# KiCad board frank_pga.kicad_pcb
title: FRANK PGA; date: ${DATE}; rev: ${VERSION}; company: Mikhail Matveev; note: https://github.com/rh1tech/frank
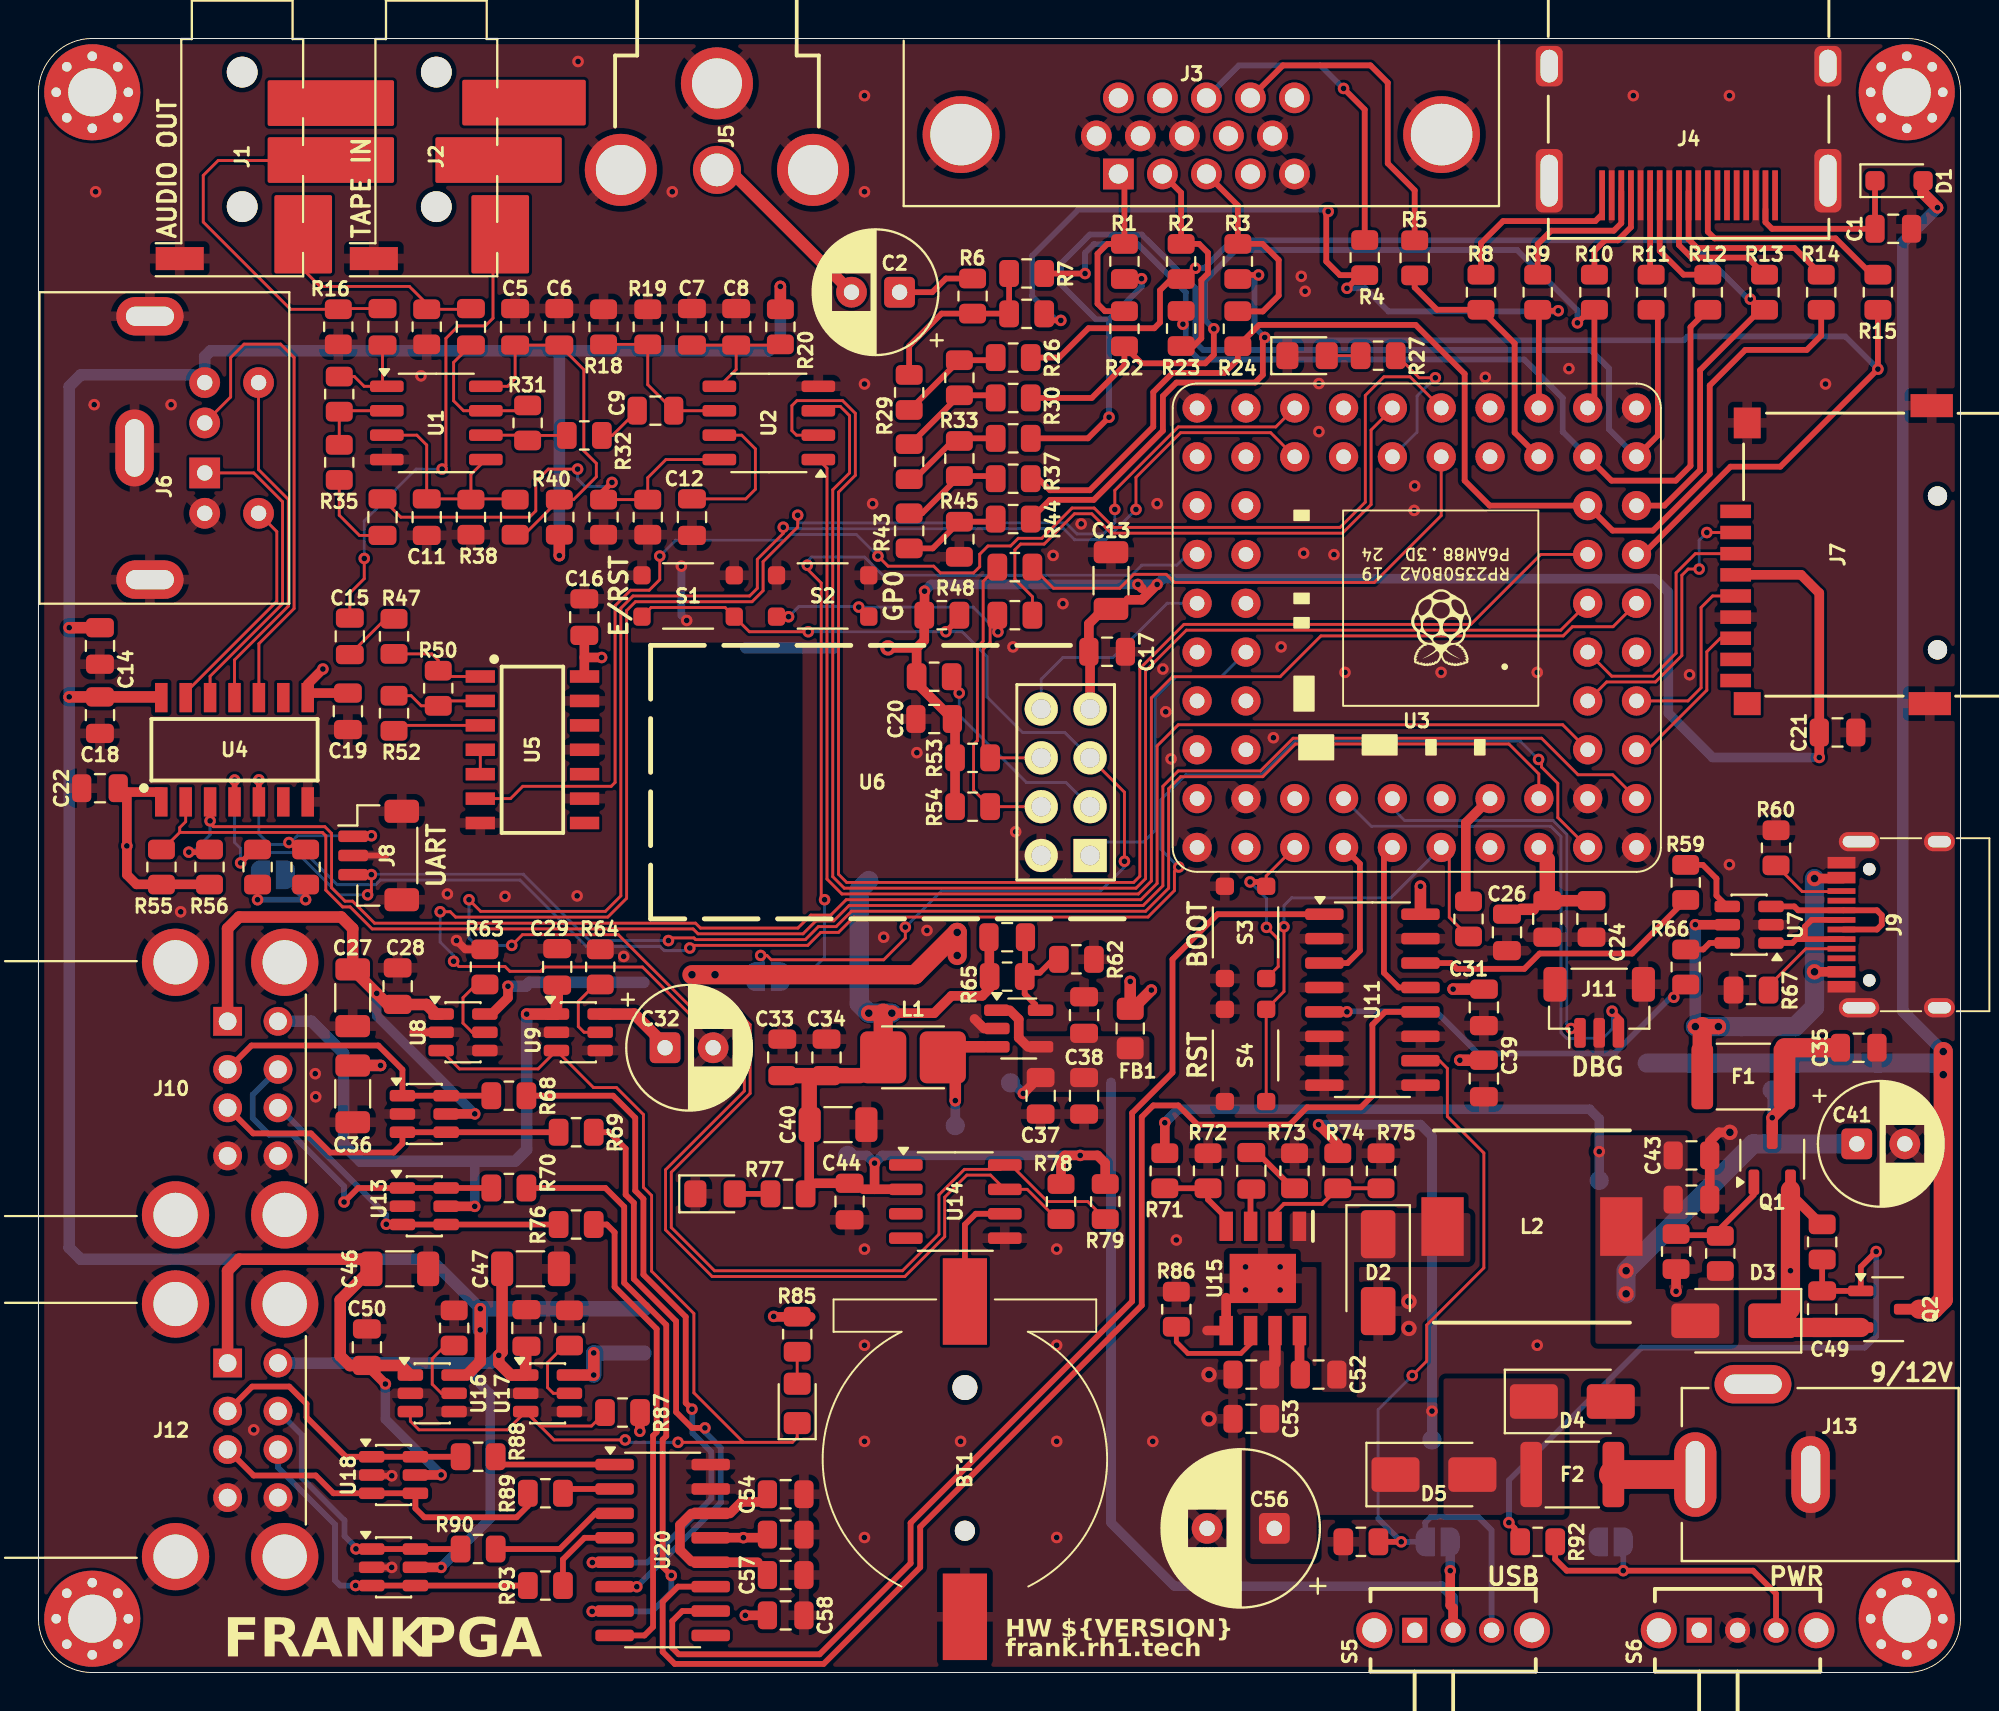
[diagram p0: board, top side]
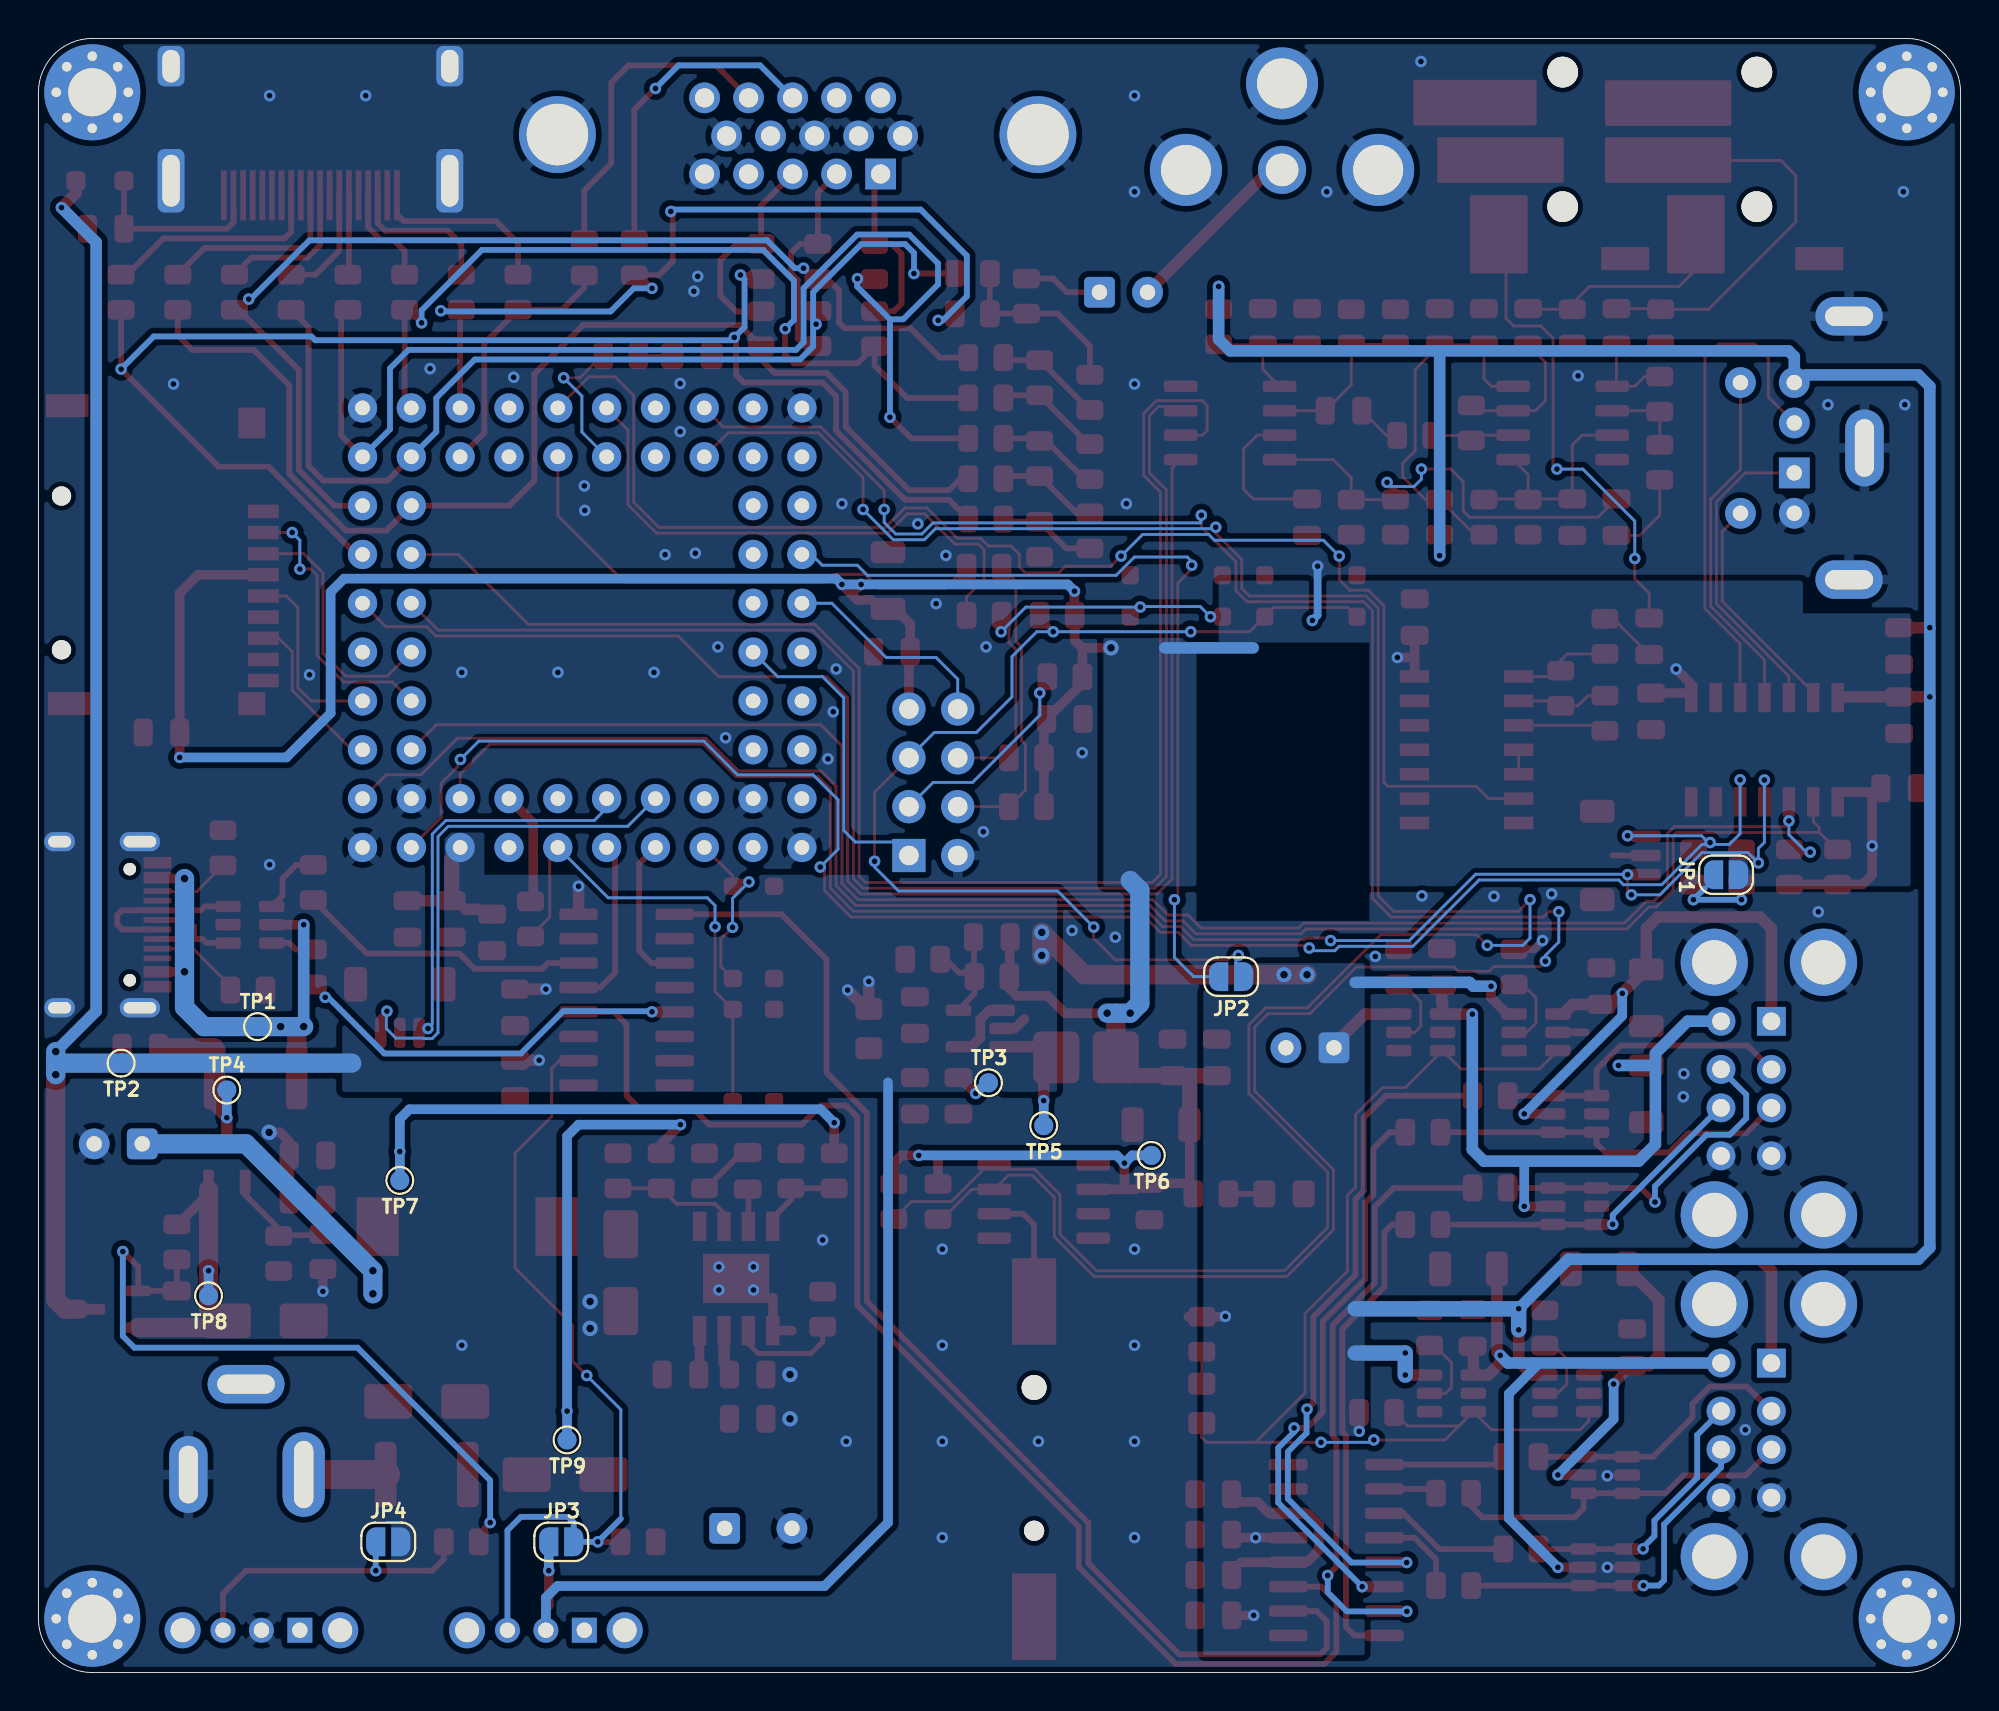
[diagram p1: board, bottom side, seen from below]

Outline 100 x 85 mm; copper layers: Top, Bottom. Coordinates in mm from the lower left corner of the outline.
Outline path: 0,82.2 0,2.8 arc(0.82,0.82) 2.8,0 97.2,0 arc(99.18,0.82) 100,2.8 100,82.2 arc(99.18,84.18) 97.2,85 2.8,85 arc(0.82,84.18) 0,82.2
Stack: Top 0.035mm / dielectric 0.91mm FR4 er 4.5 / Bottom 0.035mm

## Placement (name value [footprint] x y rotation side)
BT1  -  [Battery_CR1220]  48.2 11.1 180 top
C1  100n 50V  [C_0805_2012Metric]  96.5 75.1 0 top
C2  220u 10V  [C_Radial_D6.3mm_P2.50mm]  44.8 71.8 180 top
C3  10u 16V  [C_0805_2012Metric]  17.9 70 90 top
C4  10u 16V  [C_0805_2012Metric]  22.5 70 90 top
C5  100n 50V  [C_0805_2012Metric]  24.8 70 270 top
C6  10u 16V  [C_0805_2012Metric]  27.1 70 90 top
C7  100n 50V  [C_0805_2012Metric]  34 70 90 top
C8  10u 16V  [C_0805_2012Metric]  36.3 70 90 top
C9  10u 16V  [C_0805_2012Metric]  32.1 65.64 180 top
C10  10u 16V  [C_0805_2012Metric]  17.9 60.1 270 top
C11  10u 16V  [C_0805_2012Metric]  20.2 60.1 90 top
C12  10u 16V  [C_0805_2012Metric]  34 60.1 270 top
C13  100u 10V  [C_1206_3216Metric]  55.8 56.8 90 top
C14  100n 50V  [C_0805_2012Metric]  3.2 53.4 270 top
C15  100n 50V  [C_0805_2012Metric]  16.2 53.9 90 top
C16  100n 50V  [C_0805_2012Metric]  28.4 54.9 90 top
C17  100n 50V  [C_0805_2012Metric]  55.6 53.1 0 top
C18  100n 50V  [C_0805_2012Metric]  3.2 49.8 270 top
C19  100n 50V  [C_0805_2012Metric]  16.1 50 270 top
C20  10u 16V  [C_0805_2012Metric]  46.6 49.6 180 top
C21  100n 50V  [C_0805_2012Metric]  93.6 48.9 180 top
C22  100n 50V  [C_0805_2012Metric]  3.2 46 180 top
C23  10u 16V  [C_0805_2012Metric]  78.5 39.2 270 top
C24  100n 50V  [C_0805_2012Metric]  80.8 39.2 270 top
C25  22p 50V  [C_0805_2012Metric]  50.4 38.25 0 top
C26  100n 50V  [C_0805_2012Metric]  76.4 38.5 270 top
C27  100u 10V  [C_1206_3216Metric]  16.35 35.1 270 top
C28  100n 50V  [C_0805_2012Metric]  18.69 35.7 90 top
C29  100n 50V  [C_0805_2012Metric]  26.99 36.7 90 top
C30  10u 16V  [C_0805_2012Metric]  54.4 34.2 90 top
C31  10u 16V  [C_0805_2012Metric]  75.2 34.6 270 top
C32  220u 10V  [C_Radial_D6.3mm_P2.50mm]  32.6 32.5 0 top
C33  10u 16V  [C_0805_2012Metric]  38.7 32 90 top
C34  10u 16V  [C_0805_2012Metric]  41 32 90 top
C35  10u 16V  [C_0805_2012Metric]  94.7 32.5 0 top
C36  100u 10V  [C_1206_3216Metric]  16.35 30.1 270 top
C37  100n 50V  [C_0805_2012Metric]  52.14 30 270 top
C38  10u 16V  [C_0805_2012Metric]  54.4 30 270 top
C39  100n 50V  [C_0805_2012Metric]  75.2 30.9 270 top
C40  100u 10V  [C_1206_3216Metric]  41.6 28.5 0 top
C41  220u 10V  [C_Radial_D6.3mm_P2.50mm]  94.6 27.5 0 top
C42  150p 50V  [C_0805_2012Metric]  63.1 26.1 90 top
C43  10u 16V  [C_0805_2012Metric]  86 26.9 0 top
C44  100n 50V  [C_0805_2012Metric]  42.2 24.5 270 top
C45  10u 16V  [C_0805_2012Metric]  86 24.6 180 top
C46  100u 10V  [C_1206_3216Metric]  18.8 21 0 top
C47  100u 10V  [C_1206_3216Metric]  25.6 21 0 top
C48  100n 50V  [C_0805_2012Metric]  25.39 17.92 90 top
C49  1u 16V  [C_0805_2012Metric]  92.8 18.9 90 top
C50  100n 50V  [C_0805_2012Metric]  17.09 16.93 90 top
C51  100n 50V  [C_0805_2012Metric]  63.1 15.5 180 top
C52  100n 50V  [C_0805_2012Metric]  66.6 15.5 0 top
C53  10u 25V  [C_0805_2012Metric]  63.1 13.2 180 top
C54  100n 50V  [C_0805_2012Metric]  38.88 9.28 0 top
C55  100n 50V  [C_0805_2012Metric]  38.88 7.18 0 top
C56  680u 25V  [C_Radial_D8.0mm_P3.50mm]  64.3 7.5 180 top
C57  1u 16V  [C_0805_2012Metric]  38.88 5.07 0 top
C58  4.7u 16V  [C_0805_2012Metric]  38.88 2.97 0 top
D1  1N5819WS  [D_SOD-323]  96.8 77.6 0 top
D2  SS34  [D_SMA]  69.7 20.8 270 top
D3  SS34  [D_SMA]  88.2 18.3 180 top
D4  SMAJ15A  [D_SMA]  79.8 14.1 0 top
D5  SS34  [D_SMA]  72.6 10.3 0 top
F1  1.5A 24V  [Fuse_1812_4532Metric]  88.7 31 0 top
F2  1.5A 24V  [Fuse_1812_4532Metric]  79.8 10.3 180 top
FB1  600R@100MHz 2A  [L_0805_2012Metric]  56.8 33.5 270 top
H1  Hole 2.5mm  [MountingHole_2.5mm_Pad_Via]  2.8 82.2 0 top
H2  Hole 2.5mm  [MountingHole_2.5mm_Pad_Via]  97.2 82.2 0 top
H3  Hole 2.5mm  [MountingHole_2.5mm_Pad_Via]  2.8 2.8 0 top
H4  Hole 2.5mm  [MountingHole_2.5mm_Pad_Via]  97.2 2.8 0 top
J1  PJ-320D  [AudioJack_3.5mm_PJ320D_AudioOut]  10.6 78.5 270 top
J2  PJ-320D  [AudioJack_3.5mm_PJ320D_TapeIn]  20.7 78.5 270 top
J3  VGA  [DSUB-15_Female]  56.19 77.95 180 top
J4  HDMI-001 19PCBTP  [HDMI_Female]  85.85 77.6 180 top
J5  RCA-103  [BarrelJack_RCJ-012]  35.3 76.91 0 top
J6  MDC-036  [MiniDIN_6pin_Female]  8.65 62.4 270 top
J7  104031-0811  [MicroSD_SMD_Long]  87.5 58.15 270 top
J8  UART M  [JST_SH_1x03_P1.00mm_Vertical]  17.7 42.5 270 top
J9  USB4215-03-A  [USB_C_Receptacle]  101.5 38.9 90 top
J10  SS-52100-004  [USB_A_Stacked]  9.84 33.88 0 top
J11  DEBUG  [JST_SH_1x03_P1.00mm_Vertical]  81.2 34.6 0 top
J12  SS-52100-004  [USB_A_Stacked]  9.84 16.1 0 top
J13  DC 9-12V  [BarrelJack_DC-005]  92.2 10.3 180 top
JP1  Mouse PU  [SolderJumper-2_P1.3mm_Open_RoundedPad1.0x1.5mm]  12.2 41.5 0 bottom
JP2  ESP RST  [SolderJumper-2_P1.3mm_Open_RoundedPad1.0x1.5mm]  37.95 36.2 0 bottom
JP3  USB Debug  [SolderJumper-2_P1.3mm_Open_RoundedPad1.0x1.5mm]  72.8 6.8 180 bottom
JP4  Force On  [SolderJumper-2_P1.3mm_Open_RoundedPad1.0x1.5mm]  81.8 6.8 0 bottom
L1  2.2u  [L_Cenker_CKCS3015_HandSolder]  45.5 32 180 top
L2  22u  [Inductor_CDRH104RNP]  77.7 23.2 0 top
LD1  Blue  [LED_0805]  66 68.5 0 top
LD2  Green  [LED_0805]  35.2 24.9 0 top
LD3  Red  [LED_0805]  39.48 14 90 top
Q1  AO3401A  [SOT-23-3L_AOS]  90.2 26.7 0 top
Q2  AO3401A  [SOT-23-3L_AOS]  96 18.9 270 top
R1  1K  [R_0805_2012Metric]  56.5 73.4 90 top
R2  1K  [R_0805_2012Metric]  59.45 73.4 90 top
R3  1K  [R_0805_2012Metric]  62.4 73.4 90 top
R4  100R  [R_0805_2012Metric]  69 73.6 270 top
R5  100R  [R_0805_2012Metric]  71.6 73.59 270 top
R6  51R  [R_0805_2012Metric]  48.6 71.6 90 top
R7  270R  [R_0805_2012Metric]  51.41 72.78 180 top
R8  270R  [R_0805_2012Metric]  75.05 71.8 270 top
R9  270R  [R_0805_2012Metric]  78 71.8 270 top
R10  270R  [R_0805_2012Metric]  80.95 71.8 270 top
R11  270R  [R_0805_2012Metric]  83.9 71.8 270 top
R12  270R  [R_0805_2012Metric]  86.85 71.8 270 top
R13  270R  [R_0805_2012Metric]  89.8 71.8 270 top
R14  270R  [R_0805_2012Metric]  92.75 71.8 270 top
R15  270R  [R_0805_2012Metric]  95.7 71.8 270 top
R16  20K  [R_0805_2012Metric]  15.6 70 90 top
R17  20K  [R_0805_2012Metric]  20.2 70 90 top
R18  470R  [R_0805_2012Metric]  29.4 70 270 top
R19  10K  [R_0805_2012Metric]  31.7 70 90 top
R20  100R  [R_0805_2012Metric]  38.6 70 90 top
R21  750R  [R_0805_2012Metric]  51.41 70.67 180 top
R22  330R  [R_0805_2012Metric]  56.5 69.9 90 top
R23  330R  [R_0805_2012Metric]  59.45 69.91 270 top
R24  330R  [R_0805_2012Metric]  62.4 69.9 90 top
R25  150R  [R_0805_2012Metric]  47.91 67.35 90 top
R26  270R  [R_0805_2012Metric]  50.71 68.4 180 top
R27  100R  [R_0805_2012Metric]  69.7 68.5 180 top
R28  47K  [R_0805_2012Metric]  15.65 66.5 270 top
R29  150R  [R_0805_2012Metric]  45.3 66.59 90 top
R30  270R  [R_0805_2012Metric]  50.71 66.3 180 top
R31  47K  [R_0805_2012Metric]  25.45 65 270 top
R32  10K  [R_0805_2012Metric]  28.4 64.35 0 top
R33  150R  [R_0805_2012Metric]  47.91 63.15 90 top
R34  270R  [R_0805_2012Metric]  50.71 64.2 180 top
R35  10K  [R_0805_2012Metric]  15.65 62.95 270 top
R36  150R  [R_0805_2012Metric]  45.3 62.99 90 top
R37  270R  [R_0805_2012Metric]  50.71 62.1 180 top
R38  10K  [R_0805_2012Metric]  22.5 60.1 90 top
R39  10K  [R_0805_2012Metric]  24.8 60.1 270 top
R40  100R  [R_0805_2012Metric]  27.1 60.1 90 top
R41  10K  [R_0805_2012Metric]  29.4 60.1 270 top
R42  470R  [R_0805_2012Metric]  31.7 60.1 270 top
R43  150R  [R_0805_2012Metric]  45.3 59.39 90 top
R44  270R  [R_0805_2012Metric]  50.71 60 180 top
R45  300R  [R_0805_2012Metric]  47.91 58.95 90 top
R46  1K  [R_0805_2012Metric]  50.8 57.5 180 top
R47  4.7K  [R_0805_2012Metric]  18.5 53.9 90 top
R48  10K  [R_0805_2012Metric]  47 55 0 top
R49  1K  [R_0805_2012Metric]  50.8 55 180 top
R50  100K  [R_0805_2012Metric]  20.8 51.2 90 top
R51  10K  [R_0805_2012Metric]  46.6 51.8 0 top
R52  100K  [R_0805_2012Metric]  18.5 49.9 90 top
R53  10K  [R_0805_2012Metric]  48.6 47.58 0 top
R54  10K  [R_0805_2012Metric]  48.6 45.04 0 top
R55  10K  [R_0805_2012Metric]  6.4 41.9 90 top
R56  10K  [R_0805_2012Metric]  8.9 41.9 90 top
R57  10K  [R_0805_2012Metric]  11.4 41.9 90 top
R58  10K  [R_0805_2012Metric]  13.9 41.9 90 top
R59  22R  [R_0805_2012Metric]  85.7 41.1 90 top
R60  5.1K  [R_0805_2012Metric]  90.4 42.9 90 top
R61  10K  [R_0805_2012Metric]  74.4 39.2 270 top
R62  22K  [R_0805_2012Metric]  54 37.1 0 top
R63  100K  [R_0805_2012Metric]  23.23 36.7 90 top
R64  100K  [R_0805_2012Metric]  29.23 36.7 90 top
R65  100K  [R_0805_2012Metric]  50.4 36.2 0 top
R66  22R  [R_0805_2012Metric]  85.7 36.7 90 top
R67  5.1K  [R_0805_2012Metric]  89.1 35.5 180 top
R68  22R  [R_0805_2012Metric]  24.48 30 180 top
R69  22R  [R_0805_2012Metric]  27.98 28.11 180 top
R70  22R  [R_0805_2012Metric]  24.48 25.2 180 top
R71  47K  [R_0805_2012Metric]  58.6 26.1 270 top
R72  8.2K  [R_0805_2012Metric]  60.85 26.1 270 top
R73  100K  [R_0805_2012Metric]  65.35 26.1 90 top
R74  100K  [R_0805_2012Metric]  67.6 26.1 90 top
R75  30K  [R_0805_2012Metric]  69.85 26.1 90 top
R76  22R  [R_0805_2012Metric]  27.98 23.31 180 top
R77  1K  [R_0805_2012Metric]  39 24.9 180 top
R78  4.7K  [R_0805_2012Metric]  53.2 24.5 90 top
R79  4.7K  [R_0805_2012Metric]  55.5 24.5 90 top
R80  100K  [R_0805_2012Metric]  85.2 21.9 270 top
R81  1K  [R_0805_2012Metric]  87.5 21.8 90 top
R82  100K  [R_0805_2012Metric]  92.8 22.4 270 top
R83  100K  [R_0805_2012Metric]  21.63 17.92 90 top
R84  100K  [R_0805_2012Metric]  27.63 17.92 90 top
R85  1K  [R_0805_2012Metric]  39.48 17.6 270 top
R86  100K  [R_0805_2012Metric]  59.2 18.9 90 top
R87  100K  [R_0805_2012Metric]  30.39 13.53 180 top
R88  22R  [R_0805_2012Metric]  22.88 11.22 180 top
R89  22R  [R_0805_2012Metric]  26.38 9.32 180 top
R90  22R  [R_0805_2012Metric]  22.88 6.43 180 top
R91  10K  [R_0805_2012Metric]  68.8 6.8 180 top
R92  10K  [R_0805_2012Metric]  78 6.8 0 top
R93  22R  [R_0805_2012Metric]  26.38 4.53 180 top
S1  ESP Reset  [Button_SMD_3x4x2mm]  33.8 56 0 top
S2  ESP Boot  [Button_SMD_3x4x2mm]  40.8 56 0 top
S3  RP Boot  [Button_SMD_3x4x2mm]  62.8 38.5 90 top
S4  RP Reset  [Button_SMD_3x4x2mm]  62.8 32.1 90 top
S5  USB MODE  [Switch_Slide_SK12D07VG3NS]  71.6 2.2 0 top
S6  POWER  [Switch_Slide_SK12D07VG3NS]  86.4 2.2 0 top
TP1  VBUS_USB  [TestPoint_Pad_D1.0mm]  88.6 33.6 180 bottom
TP2  VBUS  [TestPoint_Pad_D1.0mm]  95.7 31.7 180 bottom
TP3  +5V_BUCK  [TestPoint_Pad_D1.0mm]  50.57 30.68 180 bottom
TP4  VBUS_USB_F  [TestPoint_Pad_D1.0mm]  90.2 30.3 180 bottom
TP5  LX  [TestPoint_Pad_D1.0mm]  47.7 28.45 180 bottom
TP6  +3V3  [TestPoint_Pad_D1.0mm]  42.1 26.9 180 bottom
TP7  +5V_DC  [TestPoint_Pad_D1.0mm]  81.2 25.6 180 bottom
TP8  +5V_SEL  [TestPoint_Pad_D1.0mm]  91.15 19.6 180 bottom
TP9  VIN_PROT  [TestPoint_Pad_D1.0mm]  72.5 12.1 180 bottom
U1  LM358  [SO-8]  20.7 65 0 top
U2  TDA1387T  [SO-8]  38 65 180 top
U3  Pimoroni PGA2350  [PGA2350]  71.71 54.35 180 top
U4  TXS0104EDR  [SOIC-14_P1.27mm]  10.2 48 90 top
U5  CD4069UBM  [SOIC-14_P1.27mm]  25.7 48 0 top
U6  ESP-01 socket  [ESP-01S]  54.71 42.5 180 top
U7  USBLC6-2SC6  [SOT-23-6]  89 38.9 180 top
U8  CH217K  [SOT-23-6]  22.09 33.31 0 top
U9  CH217K  [SOT-23-6]  28.09 33.31 0 top
U10  SY8089AAAC  [SOT-23-5]  51 33.5 0 top
U11  74HC4052D  [SOP-16_P1.27mm]  69.4 35 0 top
U12  USBLC6-2SC6  [SOT-23-6]  20.08 29.06 0 top
U13  USBLC6-2SC6  [SOT-23-6]  20.08 24.25 0 top
U14  DS3231MZ  [SO-8]  47.7 24.5 0 top
U15  MP1584EN  [SOIC-9_P1.27mm]  63.7 20.5 270 top
U16  CH217K  [SOT-23-6]  20.49 14.53 0 top
U17  CH217K  [SOT-23-6]  26.49 14.53 0 top
U18  USBLC6-2SC6  [SOT-23-6]  18.48 10.28 0 top
U19  USBLC6-2SC6  [SOT-23-6]  18.48 5.47 0 top
U20  MW7211A  [SOP-16_P1.27mm]  32.48 6.38 0 top

## Library data of the parts
BT1 = -: Datasheet: https://www.keyelco.com/product-pdf.cfm?p=14915; Description: CR1220 Cell Holder; LCSC: C5199899; Height: 14.33; Manufacturer_Name: Keystone Electronics; Manufacturer_Part_Number: 1174
C1 C14-C16 C18 C19 C21 C22 = -: Description: Unpolarized capacitor; AliExpress: https://www.aliexpress.com/item/33008008276.html; ki_fp_filters: C_*
C2 = -: Description: Polarized capacitor; AliExpress: https://www.aliexpress.com/item/1005006870280809.html; ki_fp_filters: CP_*
C3-C5 C7-C12 = -: Description: Unpolarized capacitor, small symbol; AliExpress: https://www.aliexpress.com/item/33008008276.html; ki_fp_filters: C_*
C6 = -: Description: Polarized capacitor, small symbol; AliExpress: https://www.aliexpress.com/item/33008008276.html; ki_fp_filters: CP_*
C13 C17 C20 C23-C31 C33-C40 C42 C43 C45-C55 C57 C58 = -: ki_fp_filters: C_*
C32 C41 C56 = -: ki_fp_filters: CP_*
C44 = -: Description: Unpolarized capacitor; LCSC: C14663; AliExpress: https://www.aliexpress.com/item/33008008276.html; ki_fp_filters: C_*
D1 = -: Description: Schottky diode; AliExpress: https://www.aliexpress.com/item/1005006143480992.html; ki_fp_filters: TO-???* *_Diode_* *SingleDiode* D_*
D2 D3 D5 = -: ki_fp_filters: TO-???* *_Diode_* *SingleDiode* D_*
D4 = -: Description: TVS 15V 400W unidirectional (input overvoltage clamp); ki_fp_filters: TO-???* *_Diode_* *SingleDiode* D_*
F1 F2 = -: ki_fp_filters: *polyfuse* *PTC*
FB1 = -: ki_fp_filters: Inductor_* L_* *Ferrite*
H1-H4 = -: ki_fp_filters: MountingHole*
J1 = -: ki_fp_filters: Jack*
J2 = -: AliExpress: https://www.aliexpress.com/item/4001158231104.html; ki_fp_filters: Jack*
J3 = -: AliExpress: https://www.aliexpress.com/item/32842951548.html; ki_fp_filters: DSUB*Female*
J4 = -: Datasheet: https://www.lcsc.com/datasheet/C138388.pdf; Description: HDMI Type A receptacle, 19P SMD right angle, 4 shell legs (BOOMELE HDMI-001); LCSC: C138388; AliExpress: https://www.aliexpress.com/item/1005005248842433.html
J5 = -: Description: Generic connector, single row, 01x02, script generated (kicad-library-utils/schlib/autogen/connector/); AliExpress: https://www.aliexpress.com/item/1005006152724809.html; ki_fp_filters: Connector*:*_1x??_*
J6 = -: Datasheet: http://service.powerdynamics.com/ec/Catalog17/Section%2011.pdf; Description: 6-pin Mini-DIN connector; AliExpress: https://www.aliexpress.com/item/4000106131593.html; ki_fp_filters: MINI?DIN*
J7 = -: Datasheet: https://www.molex.com/content/dam/molex/molex-dot-com/products/automated/en-us/salesdrawingpdf/104/104031/1040310811_sd.pdf; Description: Micro SD Card Socket; AliExpress: https://www.aliexpress.com/item/1005004214252441.html; ki_fp_filters: microSD*
J8 J11 = -: ki_fp_filters: Connector*:*_1x??_*
J10 J12 = -: ki_fp_filters: USB*
JP1-JP4 = -: ki_fp_filters: SolderJumper*Open*
L1 L2 = -: ki_fp_filters: Choke_* *Coil* Inductor_* L_*
LD1-LD3 = -: ki_fp_filters: LED* LED_SMD:* LED_THT:*
Q1 Q2 = -: ki_fp_filters: SOT-23-3L_AOS SOT-23-3L_AOS-M SOT-23-3L_AOS-L
R1-R17 R19 R21-R26 R28-R41 R43-R45 R47 R50 R52 = -: Description: Resistor; AliExpress: https://www.aliexpress.com/item/1005005945735199.html; ki_fp_filters: R_*
R18 R20 R42 = -: Description: Resistor, small symbol; AliExpress: https://www.aliexpress.com/item/1005005945735199.html; ki_fp_filters: R_*
R27 R46 R48 R49 R51 R53-R77 R80-R93 = -: ki_fp_filters: R_*
R78 R79 = -: Description: Resistor; LCSC: C23162; AliExpress: https://www.aliexpress.com/item/1005005945735199.html; ki_fp_filters: R_*
S1-S4 = -: Description: hanxia HX 3x4x2.5-PA-1.6N 4-pin SMD tact switch; LCSC: C55200587; AliExpress: https://www.aliexpress.com/item/1005007359248990.html
TP1-TP9 = -: ki_fp_filters: Pin* Test*
U1 = -: Datasheet: http://www.ti.com/lit/ds/symlink/lm2904-n.pdf; Description: Low-Power, Dual Operational Amplifiers, DIP-8/SOIC-8/TO-99-8; AliExpress: https://www.aliexpress.com/item/1005006785079218.html; ki_fp_filters: SOIC*3.9x4.9mm*P1.27mm* DIP*W7.62mm* TO*99* OnSemi*Micro8* TSSOP*3x3mm*P0.65mm* TSSOP*4.4x3mm*P0.65mm* MSOP*3x3mm*P0.65mm* SSOP*3.9x4.9mm*P0.635mm* LFCSP*2x2mm*P0.5mm* *SIP* SOIC*5.3x6.2mm*P1.27mm*
U2 = -: Datasheet: DOCUMENTATION; AliExpress: https://www.aliexpress.com/item/32995595000.html
U4 = -: Datasheet: http://www.ti.com/lit/gpn/txs0104e; Description: 4-Bit Bidirectional Voltage-Level Shifter for Open-Drain and Push-Pull Applications; Height: 1.75; Mouser Part Number: 595-TXS0104EDR; Mouser Price/Stock: https://www.mouser.co.uk/ProductDetail/Texas-Instruments/TXS0104EDR?qs=7kv20MEVUljeQYQBZTsYxg%3D%3D; Manufacturer_Name: Texas Instruments
U5 = -: Datasheet: https://www.ti.com/lit/gpn/cd4069ub; ki_fp_filters: N14
U6 = -: ki_fp_filters: ESP-01*
U7 U12 U13 U18 U19 = -: ki_fp_filters: SOT?23*
U14 = -: Datasheet: https://www.analog.com/media/en/technical-documentation/data-sheets/ds3231m.pdf; Description: ±5ppm, I2C Real-Time Clock SOIC-8; LCSC: C107410; ki_fp_filters: SOIC*3.9x4.9mm*P1.27mm*
